# Altium PCB Stabiliser.PCBDOC (part 5 of 8) (continued)
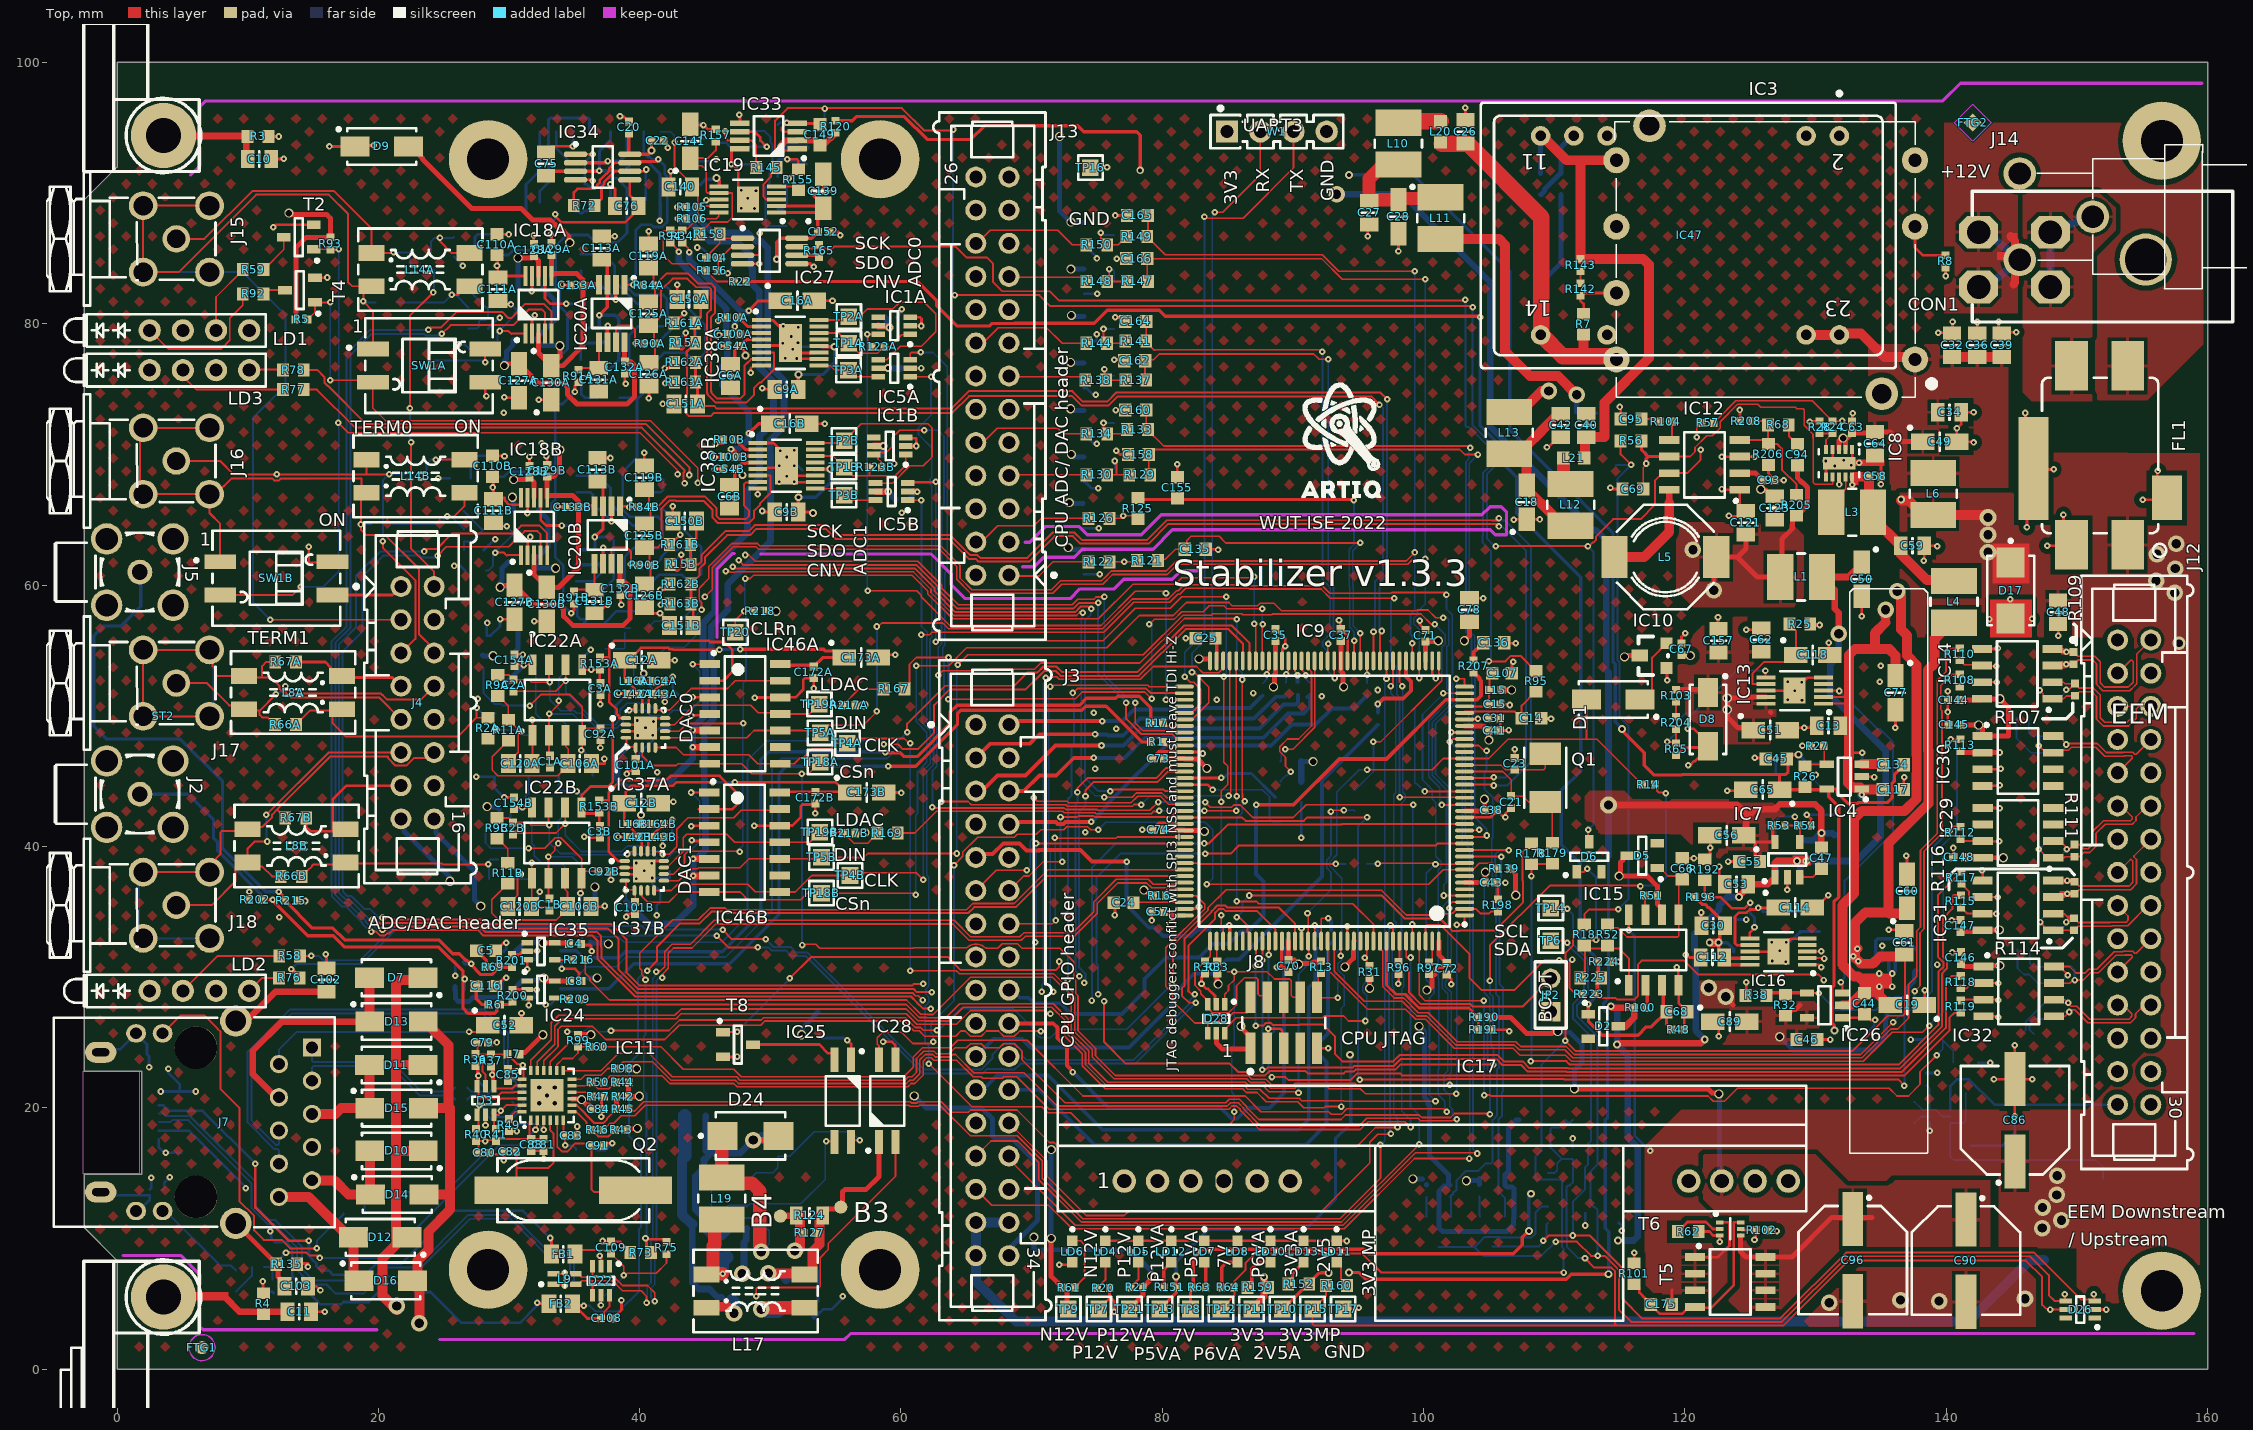
[diagram p0: Top view]
## Nets (pads, with @x,y where several pads share a name; then routed paths per layer and width w, separated by ;. In a path a pad name is that pad's centre, name@x,y a point inside that pad or via, vN(x,y) a via of type N, cw(c..) or ccw(c..) an arc to the next point about the centre after c; other vN are vias at no path point) (continued)
NetC156_2: C156.2 L17.1 L19.2 | length 7.8
  Top w1.016: L17.1@44.72,7.244 L17.1@45.12,7.244 45.18,7.305 L17.1@45.58,7.305 ; L19.2@46.279,11.456 46.239,11.456 45.747,10.964 45.747,9.527 45.612,9.391 45.612,7.336 L17.1@45.58,7.305 ; v1(46.349,7.305) L17.1@45.58,7.305
  Bot w1.016: v1(46.349,7.305) 46.349,8.43 C156.2@46.282,8.497 46.607,8.497 C156.2@46.674,8.564
NetC167_2: C167.2 IC27.3 IC33.7 IC42.7 R145.2 R219.2 | length 21.6
  Top w0.152: v1(46.548,94.742) 46.548,94.232 46.734,94.046 IC33.7@47.675,94.046 48.538,94.046 48.896,93.688 R145.2@48.896,91.948 ; IC27.3@47.88,85.25 49.136,85.25 49.175,85.289 v1(49.174,86.944)
  Bot w0.152: R219.2@45.873,94.86 45.991,94.742 v1(46.548,94.742) IC42.7@48.364,94.742 49.57,94.742 50.011,94.302 50.011,93.888 50.173,93.725 50.173,92.444 49.934,92.204 49.934,90.757 49.646,90.469 49.646,87.415 ; v1(49.174,86.944) 49.646,87.415 ; C167.2@51.25,87.476 49.707,87.476 49.646,87.415
NetC168_2: C168.2 IC33.6 IC42.6 R219.1 | length 8.8
  Top w0.203: IC33.6@47.675,94.696 48.81,94.696 49.236,94.269 49.236,94.021 v1(49.72,93.537)
  Bot w0.203: C168.2@43.898,94.151 45.622,94.151 45.853,93.92 R219.1@45.873,93.92 45.932,93.862 46.614,93.862 47.004,93.472 IC42.6@48.364,93.472 48.429,93.537 v1(49.72,93.537)
NetC170_1: C170.1 IC44.5 | length 5.1
  Bot w0.254: IC44.5@134.607,31.177 134.607,32.79 134.755,32.938 136.729,32.938 136.765,32.902 136.865,32.902 137.649,32.118 C170.1@137.674,32.118
NetC175_1: C175.1 R101.2 T5.4 T6.6 | length 15
  Top w0.203: R101.2@116.116,6.5 116.166,6.5 116.514,6.152 116.514,5.845 117,5.358 117.025,5.358 117.399,4.985 117.399,4.935 118.103,4.231 119.764,4.231 120.293,4.76 T5.4@120.768,4.76 ; T5.4@120.768,4.691 122.009,4.691 123.744,6.427 123.744,11.226 T6.6@124.258,11.226
NetD1_1: D1.1 IC10.2 | length 5.3
  Top w0.152: D1.1@116.56,51.238 116.79,51.238 117.489,51.937 117.489,54.452 IC10.2@118.588,55.551
NetD6_1: D6.1 IC15.1 R18.1 R52.2 R225.1 | length 16.3
  Top w0.152: D6.1@111.714,38.059 112.267,38.059 112.51,38.302 v1(112.518,38.302) ; R225.1@111.989,29.945 112.346,30.303 R18.1@112.346,32.203 ; v1(113.193,32.842) 113.151,32.8 112.669,32.8 R18.1@112.295,32.427 112.295,32.253 112.345,32.203 113.852,32.203 R52.2@114.075,32.427 114.299,32.203 114.938,32.203 115.704,31.437 IC15.1@115.704,29.379
  Bot w0.152: v1(112.518,38.302) 113.193,37.627 v1(113.193,32.842)
NetD21A_3: D21A.3 L8A.1 R2A.2 R66A.1 | length 19.6
  Top w0.127: 27.676,49.85 R2A.2@28.392,49.85
  Top w0.152: R66A.1@13.692,49.321 13.692,49.371 14.066,49.744 14.116,49.744 14.76,50.388 16.5,50.388 16.5,49.438 17.526,48.412 26.062,48.412 27.5,49.85 ; v1(27.531,50.614) 27.531,49.881 27.5,49.85 ; 27.676,49.85 27.5,49.85
  Bot w0.152: v1(27.531,50.614) 27.986,50.159 D21A.3@28.981,50.159
NetD21B_3: D21B.3 L8B.1 R2B.2 R66B.1 | length 16.9
  Top w0.152: R66B.1@14.135,37.704 14.135,37.754 14.509,38.128 14.559,38.128 14.93,38.499 14.93,38.536 15.019,38.626 16.507,38.626 16.585,38.704 24.867,38.704 24.945,38.626 28.419,38.626 v1(28.427,38.633)
  Bot w0.152: R2B.2@28.457,37.5 28.473,37.516 28.473,38.928 28.555,39.009 D21B.3@29.157,39.009
NetD23_3: D23.3 R121.2 R122.1 | length 3
  Top w0.127: R122.1@75.95,61.777 v1(77.1,61.777) 77.9,61.777 R121.2@78.05,61.627
  Bot w0.127: D23.3@76.3,61.777 v1(77.1,61.777)
NetD25_3: D25.3 R125.2 R126.1 | length 3.1
  Top w0.127: R126.1@75.95,65.106 76.825,65.106 v1(77.025,65.306) 77.7,65.306 R125.2@78.05,64.956
  Bot w0.127: D25.3@76.225,65.306 v1(77.025,65.306)
NetD27_3: D27.3 R129.2 R130.1 | length 3.5
  Top w0.127: R130.1@75.779,68.436 76.5,68.436 ; v1(76.375,69.5) 76.5,69.375 76.5,68.436 ; R129.2@77.475,68.436 76.5,68.436
  Bot w0.127: D27.3@76.3,68.862 76.375,68.937 v1(76.375,69.5)
NetD29_3: D29.3 R133.2 R134.1 | length 3.4
  Top w0.127: v1(75.5,72.412) 75.5,71.859 R134.1@75.779,71.58 76.982,71.58 R133.2@77.3,71.898
  Bot w0.127: v1(75.5,72.412) D29.3@76.3,72.412
NetD31_3: D31.3 R137.2 R138.1 | length 3.3
  Top w0.127: v1(75.575,76.534) 75.575,75.812 R138.1@75.7,75.687 R137.2@77.175,75.687
  Bot w0.127: v1(75.575,76.534) 76.075,76.034 D31.3@76.3,76.034
NetD33_3: D33.3 R141.2 R144.1 | length 3.5
  Top w0.127: v1(75.5,79.605) 75.5,78.787 R144.1@75.775,78.512 R141.2@77.25,78.512
  Bot w0.127: v1(75.5,79.605) D33.3@76.325,79.605
NetD34_3: D34.3 R149.2 R150.1 | length 4
  Top w0.127: v1(75.3,86.966) 75.3,86.52 R150.1@75.779,86.041 76.625,86.041 R149.2@77.25,86.666
  Bot w0.127: v1(75.3,86.966) 75.475,86.791 D34.3@76.325,86.791
NetD35_3: D35.3 R147.2 R148.1 | length 3.8
  Top w0.127: v1(75.95,84.191) 75.95,83.412 R148.1@75.779,83.241 R147.2@77.3,83.241
  Bot w0.127: v1(75.95,84.191) 76.178,84.191 76.325,84.044 D35.3@76.325,83.241
NetFB1_2: FB1.2 J9.1 | length 42.3
  Top w0.203: v1(10.592,15.72) 10.588,15.717 10.588,12.364 13.123,9.83 v1(14.681,9.83) ; v1(33.155,10.033) 33.25,9.938 FB1.2@33.25,8.799
  Bot w0.203: J9.1@3.2,20.195 3.525,20.195 3.623,20.097 3.623,20.093 3.742,19.974 3.82,19.974 4.029,19.765 6.547,19.765 v1(10.592,15.72) ; v1(14.681,9.83) 14.696,9.815 14.696,8.687 14.941,8.442 14.941,8.397 15.263,8.076 15.263,7.871 15.592,7.542 16.216,7.542 16.545,7.214 18.982,7.214 19.844,8.076 21.764,8.076 25.804,12.116 31.073,12.116 v1(33.155,10.033)
NetFB2_2: FB2.2 J9.4 | length 40.5
  Top w0.203: v1(32.156,5.08) 32.156,5.022 32.178,5 FB2.2@33.072,5
  L3 w0.203: v1(9.855,13.843) 9.855,12.857 11.735,10.977 v1(11.735,10.541)
  Bot w0.203: J9.4@3.2,18.245 5.494,18.245 9.855,13.884 v1(9.855,13.843) ; v1(11.735,10.541) 11.792,10.484 11.792,10.018 12.084,9.726 12.933,9.726 13.416,9.242 13.411,9.237 13.411,7.107 15.561,4.957 17.14,4.957 17.317,5.134 19.264,5.134 20.693,6.563 22.132,6.563 22.793,5.901 23.995,5.901 26.352,3.544 30.848,3.544 32.156,4.853 v1(32.156,5.08)
NetIC1A_1: IC1A.1 IC38A.14 R123A.1 TP1A.1 | length 8.2
  Top w0.127: IC38A.14@53.737,79.294 55.229,79.294 TP1A.1@56.007,78.516 56.787,77.736 58.207,77.736 58.461,77.99 58.486,77.99 58.712,78.216 R123A.1@58.712,78.236 59.143,78.236 60.06,79.154 60.651,79.154 IC1A.1@60.701,79.204
NetIC1B_1: IC1B.1 IC38B.14 R123B.1 TP1B.1 | length 9.4
  Top w0.127: IC38B.14@53.439,69.883 54.801,69.883 TP1B.1@55.652,69.032 56.311,68.372 57.546,68.372 ; R123B.1@57.589,69.008 57.589,68.415 57.546,68.372 ; IC1B.1@60.356,69.997 60.356,69.17 59.559,68.372 57.546,68.372
NetIC2_2: IC2.2 R17.1 | length 62.9
  Top w0.254: v1(58.795,47.207) 58.827,47.174 59.955,47.174 60.248,46.881 61.233,46.881 63.779,49.427 63.779,50.299 64.29,50.81 73.668,50.81 74.191,51.333 76.425,51.333 76.59,51.499 78.217,51.499 79.115,50.601 R17.1@79.115,49.444
  Bot w0.254: IC2.2@33.942,32.023 35.149,32.023 35.69,31.482 38.45,31.482 38.9,31.932 46.306,31.932 49.272,34.898 49.272,46.63 49.89,47.249 58.753,47.249 v1(58.795,47.207)
NetIC2_4: IC2.4 IC35.2 R201.2 | length 3
  Top w0.254: R201.2@30.225,31.707 30.769,31.707 30.962,31.9 31.321,31.9 IC35.2@31.394,31.973 31.419,31.998 32.13,31.998 v1(32.155,32.023)
  Bot w0.254: IC2.4@31.742,31.373 32.017,31.373 32.09,31.446 32.09,31.892 32.155,31.957 v1(32.155,32.023)
NetIC3_2: IC3.2 R8.2 | length 4.2
  Top w0.203: IC3.2@137.61,87.436 137.61,85.838 138.198,85.25 R8.2@139.95,85.25
NetIC3_6: IC3.6 R7.1 R142.1 | length 4.3
  Top w0.203: R7.1@112.25,80.776 112.25,81.513 112,81.763 112,82.105 112.136,82.105 112.386,82.356 IC3.6@114.75,82.356
NetIC4_4: IC4.4 IC43.4 R26.1 R27.2 | length 6.1
  Top w0.127: v1(130.021,45.474) 129.949,45.546 129.842,45.546 129.242,46.146 R26.1@129.192,46.146 129.342,46.296 IC4.4@130.842,46.296 130.672,46.466 R27.2@130.672,47.846
  Bot w0.127: v1(130.021,45.474) 130.021,45.472 129.879,45.33 129.879,45.084 130.567,44.396 IC43.4@130.842,44.396
NetIC5A_4: IC5A.4 IC38A.16 TP2A.1 | length 16.5
  Top w0.127: IC38A.16@53.737,80.294 55.746,80.294 TP2A.1@56.007,80.555 56.857,80.555 57.429,81.128 59.372,81.128 59.899,81.654 61.783,81.654 62.662,80.775 62.662,79.39 61.566,78.294 59.956,78.294 58.913,77.25 IC5A.4@58.251,77.25
NetIC5A_6: IC5A.6 IC38A.9 TP3A.1 | length 4.7
  Top w0.127: IC38A.9@53.901,76.791 54.604,76.791 54.936,76.459 TP3A.1@55.982,76.459 56.491,75.95 IC5A.6@58.251,75.95
NetIC5B_4: IC5B.4 IC38B.16 TP2B.1 | length 17.1
  Top w0.127: IC38B.16@53.439,70.883 55.477,70.883 TP2B.1@55.652,71.057 56.952,72.358 62.065,72.358 62.375,72.047 62.375,69.794 61.706,69.124 60.67,69.124 59.353,67.808 IC5B.4@58.059,67.808
NetIC5B_6: IC5B.6 IC38B.9 TP3B.1 | length 5.1
  Top w0.127: IC38B.9@53.325,67.372 IC38B.9@53.439,67.372 ; IC38B.9@53.439,67.383 55.151,67.383 TP3B.1@55.652,66.882 56.026,66.508 IC5B.6@58.059,66.508
NetIC7_4: IC7.4 IC45.4 R53.1 R54.2 | length 6.3
  Top w0.127: v1(128.421,42.287) 128.421,42.186 128.495,42.112 R54.2@128.495,41.822 ; R54.2@128.549,41.596 128.495,41.65 R54.2@128.495,41.822 ; R54.2@128.722,41.596 R54.2@128.495,41.822
  Top w0.152: R53.1@127.662,41.596 R54.2@128.549,41.596 ; R54.2@128.722,41.596 128.792,41.525 IC7.4@128.792,40.345
  Bot w0.127: IC45.4@126.942,40.486 126.942,41.931 127.297,42.287 v1(128.421,42.287)
NetIC8_5: IC8.5 R24.1 R28.2 | length 2.4
  Top w0.127: R28.2@130.3,71.608 R24.1@131.3,71.608 130.8,71.108 IC8.5@130.8,70.378
NetIC9_37: IC9.37 R176.1 | length 13.2
  Top w0.127: v1(96.159,48) 96.705,48 101.379,52.673 101.379,53.038 101.159,53.258 IC9.37@101.159,54.202
  Bot w0.127: R176.1@94.64,44.386 R176.1@94.717,44.31 94.728,44.299 96.159,45.73 v1(96.159,48)
NetIC9_42: IC9.42 R136.1 | length 6
  Top w0.298: v1(96.495,50.902) 96.926,51.333 98.439,51.333 99.022,51.917 99.022,52.636 98.659,52.999 IC9.42@98.659,54.202
  Bot w0.298: R136.1@96.495,50.254 v1(96.495,50.902)
NetIC9_48: IC9.48 R12.2 | length 1.7
  Top w0.127: IC9.48@95.659,54.202 95.664,54.197 95.664,53.157 v1(95.669,53.152)
  Bot w0.127: v1(95.669,53.152) 95.669,52.514 R12.2@95.676,52.507
NetIC9_58: IC9.58 R186.1 | length 1.7
  Top w0.127: IC9.58@90.659,54.202 90.659,53.58 90.728,53.512 90.728,53.468 v1@90.911,53.284
  Bot w0.127: v1@90.907,53.035 90.92,53.035 91.041,52.914 91.041,52.766 91.268,52.54 R186.1@91.288,52.54
  other v1: 90.983,53.086
NetIC9_59: IC9.59 R187.1 | length 1.6
  Top w0.127: IC9.59@90.094,53.975 90.16,53.909 90.16,53.401 90.227,53.334 90.227,53.308 90.348,53.187 v1(90.348,53.086)
  Bot w0.127: v1(90.348,53.086) 90.348,52.563 R187.1@90.376,52.535
NetIC9_60: IC9.60 R188.1 | length 1.7
  Top w0.127: v1(89.484,53.162) 89.484,53.263 89.635,53.414 89.635,54.178 IC9.60@89.659,54.202
  Bot w0.127: R188.1@89.425,52.535 89.484,52.594 89.484,53.111 v1@89.51,53.137
NetIC9_63: IC9.63 R189.1 | length 1.9
  Top w0.127: v1(87.986,53.188) 87.986,53.289 88.126,53.429 88.126,54.169 IC9.63@88.159,54.202
  Bot w0.127: R189.1@87.681,52.489 87.701,52.489 87.927,52.716 87.927,52.736 88.013,52.821 88.013,53.164 v1@88.036,53.188
NetIC9_100: IC9.100 R177.2 | length 12.4
  Top w0.127: IC9.100@81.684,38.727 82.705,38.727 82.773,38.659 v1(93.269,38.659)
  Bot w0.127: v1(93.269,38.659) R177.2@94.044,38.659
NetIC9_112: IC9.112 R185.2 | length 2
  Top w0.298: v1(85.122,33.974) 85.159,33.937 IC9.112@85.159,32.752
  Bot w0.298: R185.2@84.541,33.637 84.541,33.657 84.682,33.798 84.702,33.798 84.84,33.936 85.083,33.936 v1(85.122,33.974)
NetIC9_115: IC9.115 R178.2 | length 32.2
  Top w0.152: v1(85.7,34.595) 85.766,34.528 85.936,34.528 86.512,33.952 86.512,33.49 86.659,33.343 IC9.115@86.659,32.752 ; v1(86.659,36.246) 96.795,36.246 98.557,34.484 101.254,34.484 102.191,33.547 102.736,33.547 102.773,33.584 105.484,33.584 107.6,35.7 107.6,37.368 107.552,37.417 107.552,39.543 107.831,39.822 107.831,39.872 108.205,40.246 R178.2@108.255,40.246
  Bot w0.152: v1(85.7,34.595) 86.156,35.051 86.156,35.743 v1(86.659,36.246)
NetIC9_123: IC9.123 R128.1 | length 2.4
  Top w0.127: v1(90.654,33.738) 90.657,33.735 90.657,32.754 IC9.123@90.659,32.752
  Bot w0.127: R128.1@90.516,32.918 90.516,33.499 90.654,33.637 v1(90.654,33.738)
  Bot w0.298: R128.1@90.641,33.118 v1@90.641,33.674
NetIC9_125: IC9.125 R131.2 | length 2.2
  Top w0.127: IC9.125@91.659,32.752 v1(91.659,33.974)
  Bot w0.298: v1(91.659,33.974) v1@91.734,33.899 ; v1@91.696,33.937 91.865,33.768 R131.2@91.865,33.132
NetIC9_126: IC9.126 R132.2 | length 3.3
  Top w0.127: IC9.126@92.159,32.752 92.159,34.482 92.193,34.516 v1(92.697,34.516)
  Bot w0.298: v1(92.697,34.516) 92.922,34.29 R132.2@92.922,33.615
NetIC9_138: IC9.138 JP2.2 R96.1 | length 16.5
  Top w0.152: IC9.138@98.159,32.752 98.159,31.246 R96.1@98.089,31.176 98.109,31.176 98.89,30.395 98.89,28.823 99.778,27.935 103.589,27.935 103.775,27.749 107.577,27.749 JP2.2@109.728,29.899
NetIC9_143: IC9.143 R97.1 | length 1.6
  Top w0.127: R97.1@100.659,31.114 IC9.143@100.659,32.752
NetIC11_7: IC11.7 R43.2 R46.2 | length 4.5
  Top w0.152: IC11.7@34.805,19.695 35.143,19.695 35.914,18.924 35.914,18.745 36.731,17.929 36.731,17.919 36.85,17.8 37.598,17.8 38.119,18.321 R43.2@38.119,18.394
NetIC11_8: IC11.8 R42.2 R45.2 | length 5.4
  Top w0.152: IC11.8@34.805,20.195 35.202,20.195 35.857,19.541 35.857,19.501 36.506,18.851 37.246,18.851 37.512,19.116 37.512,19.185 R45.2@38.221,19.895
  Top w0.381: R45.2@38.221,19.895 R42.2@38.221,20.855
NetIC11_10: IC11.10 R47.1 | length 1.7
  Top w0.127: IC11.10@34.805,21.195 36.021,21.195 R47.1@36.361,20.855
NetIC11_11: IC11.11 R44.2 R50.2 | length 3.9
  Top w0.127: IC11.11@34.805,21.695 36.068,21.695 R50.2@36.318,21.946 36.819,21.445 37.627,21.445 38.127,21.945 R44.2@38.211,21.945
NetIC11_14: IC11.14 R60.2 R99.2 | length 3.9
  Top w0.127: IC11.14@33.655,22.845 33.655,23.29 34.13,23.765 34.86,23.765 35.286,24.191 R99.2@35.286,24.66 R60.2@36.231,24.66
NetIC11_24: IC11.24 R49.1 | length 1.3
  Top w0.152: R49.1@29.917,19.122 30.491,19.695 IC11.24@31.005,19.695
NetIC12_4: IC12.4 R68.1 R205.1 R206.1 R208.1 | length 10.4
  Top w0.152: IC12.4@124.199,71.108 R206.1@126.222,71.108 ; R208.1@125.162,72.548 126.068,72.548 R68.1@126.352,72.263 126.352,70.851 126.39,70.813 R206.1@126.796,70.813 ; R206.1@126.39,70.802 127.058,70.802 127.419,70.442 127.419,68.842 128.549,67.711 R205.1@128.549,66.916
NetIC12_5: IC12.5 R104.2 | length 1.5
  Top w0.152: IC12.5@118.799,71.108 119.011,71.32 R104.2@119.011,72.508
NetIC13_3: IC13.3 IC26.3 IC44.4 R223.2 R224.1 R225.2 | length 56.5
  Top w0.152: R223.2@113.134,28.696 113.134,28.676 113.348,28.462 113.371,28.462 113.437,28.396 114.701,28.396 114.826,28.271 116.11,28.271 116.414,28.575 116.414,30.981 116.689,31.256 119.944,31.256 121.016,30.184 130.226,30.184 v1(130.632,29.777) ; IC13.3@130.591,51.923 131.775,51.923 v1(131.8,51.898) ; v1(131.942,29.596) 132.042,29.496 IC26.3@132.042,28.796
  Top w0.254: R223.2@113.134,28.696 113.293,28.855 113.293,28.976 113.293,29.65 R225.2@113.589,29.945 113.449,30.085 113.311,30.085 113.357,30.132 R224.1@113.357,31.176
  L3 w0.152: v1(130.632,29.777) 131.76,29.777 v1(131.942,29.596)
  Bot w0.152: v1(131.8,51.898) 134.702,48.997 134.899,48.997 135.927,47.969 135.927,41.087 132.23,37.39 132.23,29.978 131.942,29.69 v1(131.942,29.596) 132.008,29.53 132.008,29.117 132.748,28.377 IC44.4@134.607,28.377
NetIC13_6: IC13.6 R65.2 R204.2 | length 12.6
  Top w0.152: v1(118.631,48) 119.234,48 R65.2@119.329,47.904 R204.2@119.329,48.983 ; v1(126.163,53.449) 126.163,52.951 IC13.6@126.191,52.923
  Bot w0.152: v1(118.631,48) 119.367,48.735 119.367,49.476 120.07,50.179 120.653,50.179 123.923,53.449 v1(126.163,53.449)
NetIC14_6: IC14.6 IC23.3 R110.2 | length 4.1
  Top w0.127: R110.2@141.035,54.236 141.374,53.898 142.675,53.898 IC14.6@142.732,53.841 142.788,53.785 v1(143.84,53.785)
  Bot w0.127: IC23.3@142.732,53.841 143.784,53.841 v1(143.84,53.785)
NetIC14_7: IC14.7 IC23.2 R108.2 | length 4.1
  Top w0.127: R108.2@141.035,52.236 141.37,52.571 IC14.7@142.732,52.571 142.744,52.583 v1(143.866,52.583)
  Bot w0.127: IC23.2@142.732,52.571 143.854,52.571 v1(143.866,52.583)
NetIC15_2: IC15.2 R100.1 | length 1.6
  Top w0.254: R100.1@117.05,27.648 117.121,27.719 IC15.2@117.121,29.243
NetIC16_6: IC16.6 R192.2 R193.1 | length 8.2
  Top w0.203: R192.2@121.514,37.415 121.514,36.335 121.705,36.144 R193.1@121.705,36.124 122.726,36.124 123.588,35.261 124.563,35.261 v1(125.001,35.7) ; IC16.6@124.962,32.948 124.962,33.402 125.324,33.764 v1(125.324,33.817)
  Bot w0.203: v1(125.001,35.7) 125.001,34.879 125.324,34.557 v1(125.324,33.817)
NetIC17_3: IC17.3 IC28.2 | length 62.5
  Top w0.127: v1(48.92,5.588) 48.92,6.172 48.998,6.25 53.736,6.25 53.81,6.324 53.81,8.521 54.445,9.156 54.445,9.614 59.582,14.751 IC28.2@59.582,17.374
  L3 w0.127: v1@48.92,5.661 48.273,5.013 48.273,3.848 50.838,1.283 70.788,1.283 80.709,11.203 80.709,12.926 IC17.3@82.174,14.391
NetIC18A_7: IC18A.7 RN1A.1 | length 4.6
  Top w0.203: IC18A.7@32.761,83.659 32.761,81.944 33.18,81.525 v1(34.37,81.525)
  Bot w0.203: v1(34.37,81.525) RN1A.1@35.517,81.525
NetIC18B_7: IC18B.7 RN1B.1 | length 4.6
  Top w0.203: IC18B.7@32.427,66.695 32.427,64.979 32.846,64.56 v1(34.036,64.56)
  Bot w0.203: v1(34.036,64.56) RN1B.1@35.183,64.56
NetIC19_3: IC19.3 R145.1 | length 3.7
  Top w0.152: R145.1@50.483,91.865 50.462,91.865 50.122,91.524 50.122,91.504 50.05,91.432 50.05,91.241 49.461,90.651 49.461,89.746 49.692,89.515 IC19.3@50.487,89.515
NetIC19_5: IC19.5 R155.2 | length 1.5
  Top w0.152: IC19.5@50.487,90.515 51.985,90.515 R155.2@52,90.53
NetIC20A_1: IC20A.1 R84A.1 R170A.1 RN1A.7 RN2A.7 | length 15.3
  Top w0.203: IC20A.1@38.83,83.001 v1(39.522,83.001) 40.161,83.001 R84A.1@40.222,82.939
  Bot w0.203: v1(39.522,83.001) 39.603,83.001 39.808,82.795 RN1A.7@40.917,82.795 42.118,82.795 45.038,79.875 45.038,77.813 R170A.1@44.268,77.043 43.54,77.772 41.862,77.772 41.355,77.264 RN2A.7@40.88,77.264
NetIC20A_2: IC20A.2 RN1A.2 RN1A.3 | length 5.5
  Top w0.254: v1(38.18,81.836) IC20A.2@38.18,83.001
  Bot w0.203: RN1A.2@35.517,82.795 RN1A.3@35.517,84.065
  Bot w0.254: RN1A.2@35.517,82.795 37.22,82.795 v1(38.18,81.836)
NetIC20A_6: IC20A.6 RN2A.2 RN2A.3 | length 5.7
  Top w0.254: IC20A.6@37.53,78.601 37.53,79.819 v1(37.549,79.837)
  Bot w0.203: RN2A.2@35.48,77.264 RN2A.3@35.48,78.534
  Bot w0.254: RN2A.3@35.48,78.534 37.177,78.534 37.549,78.905 v1(37.549,79.837)
NetIC20A_7: IC20A.7 R90A.1 R171A.1 RN2A.6 | length 10.5
  Top w0.152: IC20A.7@38.18,78.601 38.18,79.714 38.32,79.854 39.34,79.854 39.655,79.54 v1@39.655,78.552 ; v1(39.691,78.516) 40.264,78.516 R90A.1@40.293,78.486
  Bot w0.203: v1(39.691,78.516) 39.71,78.534 RN2A.6@40.88,78.534 41.355,78.534 41.964,79.144 41.99,79.144 42.5,79.654 43.193,79.654 43.316,79.778 43.898,79.778 44.268,79.408 R171A.1@44.268,78.549
NetIC20B_1: IC20B.1 R84B.1 R170B.1 RN1B.7 RN2B.7 | length 15.2
  Top w0.203: IC20B.1@38.495,66.036 39.827,66.036 R84B.1@39.888,65.974
  Bot w0.203: v1(39.192,65.964) 39.326,65.83 RN1B.7@40.583,65.83 41.784,65.83 44.704,62.91 44.704,60.848 R170B.1@43.934,60.078 43.205,60.807 41.528,60.807 41.02,60.299 RN2B.7@40.545,60.299
NetIC20B_2: IC20B.2 RN1B.2 RN1B.3 | length 6.7
  Top w0.254: v1(37.845,64.871) IC20B.2@37.845,66.036
  Bot w0.203: RN1B.3@35.183,67.1 36.234,67.1 36.425,66.909 36.425,65.997 36.444,65.978 36.297,65.83
  Bot w0.254: RN1B.2@35.183,65.83 36.297,65.83 36.886,65.83 v1(37.845,64.871)
NetIC20B_6: IC20B.6 RN2B.2 RN2B.3 | length 7.4
  Top w0.254: IC20B.6@37.195,61.636 37.195,62.854 v1(37.214,62.873)
  Bot w0.203: RN2B.2@35.145,60.299 36.415,60.299 37.172,61.057 37.172,61.225 36.828,61.569
  Bot w0.254: RN2B.3@35.145,61.569 36.843,61.569 37.214,61.941 v1(37.214,62.873)
NetIC20B_7: IC20B.7 R90B.1 R171B.1 RN2B.6 | length 10.6
  Top w0.152: IC20B.7@37.845,61.636 37.845,62.749 37.986,62.889 39.006,62.889 39.32,62.575 v1(39.32,61.588) 39.815,61.588 R90B.1@39.888,61.515
  Bot w0.203: v1(39.32,61.588) 39.338,61.569 RN2B.6@40.545,61.569 41.189,61.569 41.655,62.036 41.655,62.179 42.166,62.689 42.858,62.689 42.982,62.813 43.564,62.813 43.934,62.443 R171B.1@43.934,61.584
NetIC21_2: IC21.2 R1.1 | length 62.1
  Top w0.254: v1(59.022,46.137) 61.128,46.137 64.319,49.329 64.319,50.171 64.578,50.429 73.826,50.429 74.128,50.731 75.695,50.731 78.426,48 R1.1@79.115,48
  Bot w0.254: IC21.2@33.942,29.1 37.641,29.1 39.552,31.011 46.887,31.011 50.67,34.794 50.67,45.574 51.233,46.137 v1(59.022,46.137)
NetIC21_4: IC21.4 IC24.2 R200.2 | length 2.8
  Top w0.254: R200.2@30.275,29.045 IC24.2@31.394,29.045 v1(32.13,29.045)
  Bot w0.254: IC21.4@31.742,28.45 32.017,28.45 32.09,28.523 32.09,29.005 v1(32.13,29.045)
NetIC24_4: IC24.4 R209.1 | length 1.2
  Top w0.127: IC24.4@33.494,28.395 33.573,28.316 34.594,28.316 R209.1@34.613,28.297
NetIC25_1: IC25.1 R168.1 | length 4.1
  Top w0.203: v1(55.9,25.16) 56.185,24.875 IC25.1@56.185,23.674
  Bot w0.203: R168.1@53.646,25.687 53.995,25.339 55.641,25.339 55.819,25.16 v1(55.9,25.16)
NetIC25_2: IC25.2 T8.3 | length 6.9
  Top w0.203: T8.3@48.675,24.841 53.747,24.841 54.429,24.16 54.716,24.16 54.915,23.961 IC25.2@54.915,23.674
NetIC25_3: IC25.3 R184.2 T7.1 | length 12.8
  Top w0.127: v1(54.285,17.432) 54.915,17.432 IC25.3@54.915,17.374 IC25.3@54.908,17.367
  Bot w0.127: T7.1@46.337,12.043 46.516,12.043 46.753,12.28 46.753,12.459 46.816,12.522 R184.2@48.324,12.522 ; R184.2@48.184,12.382 R184.2@48.324,12.522 ; v1(54.285,17.432) 54.214,17.36 54.214,17.192 54.193,17.171 54.193,14.503 52.341,12.652 48.453,12.652 R184.2@48.324,12.522
NetIC25_4: IC25.4 R140.1 R146.2 | length 12.6
  Top w0.127: IC25.4@56.185,17.374 56.337,17.526 v1(56.845,17.526)
  Bot w0.127: R140.1@47.231,14.503 48.391,14.503 48.924,15.037 50.204,15.037 50.579,15.412 R146.2@50.579,16.294 51.5,16.294 53.373,18.167 54.169,18.167 54.174,18.172 56.199,18.172 v1(56.845,17.526)
NetIC26_4: IC26.4 IC44.3 R32.1 R38.2 | length 10.1
  Top w0.152: IC26.4@129.342,28.796 129.372,28.765 v1(130.226,28.765)
  Top w0.254: R38.2@126.242,28.596 126.442,28.796 IC26.4@129.342,28.796
  Bot w0.152: v1(130.226,28.765) 130.272,28.765 131.545,27.493 134.627,27.493 135.058,27.924 135.058,28.329 IC44.3@135.107,28.377
NetIC27_6: IC27.6 R165.1 | length 1.8
  Top w0.254: IC27.6@52.03,85.25 53.59,85.25 R165.1@53.735,85.105
NetIC29_7: IC29.7 IC36.2 R112.2 | length 4.3
  Top w0.152: R112.2@141.086,40.571 141.251,40.406 IC29.7@142.793,40.406 142.812,40.386 v1(144.057,40.386)
  Bot w0.152: IC36.2@142.792,40.406 143.978,40.406 143.997,40.386 v1(144.057,40.386)
NetIC30_2: IC30.2 IC39.7 R113.2 | length 4.4
  Top w0.381: R113.2@141.086,47.271 141.181,47.176 IC30.2@142.783,47.176 144.08,47.176 v1(144.094,47.19)
  Bot w0.381: IC39.7@142.791,47.176 144.08,47.176 v1(144.094,47.19)
NetIC31_6: IC31.6 IC40.3 R117.2 | length 4.6
  Top w0.152: R117.2@141.151,37.135 141.159,37.135 141.733,36.561 141.733,36.206 141.818,36.12 IC31.6@142.783,36.12 143.931,36.12 v1(143.933,36.119)
  Bot w0.152: IC40.3@142.783,36.12 142.784,36.119 v1(143.933,36.119)
NetIC31_7: IC31.7 IC40.2 R115.2 | length 4
  Top w0.152: R115.2@141.126,35.328 141.146,35.328 141.624,34.85 IC31.7@142.783,34.85 v1(143.84,34.85)
  Bot w0.152: IC40.2@142.783,34.85 v1(143.84,34.85)
NetIC32_2: IC32.2 IC41.7 R118.2 | length 4.2
  Top w0.152: R118.2@141.111,29.144 141.558,29.144 141.955,29.541 IC32.2@142.843,29.541 v1(143.993,29.54)
  Bot w0.152: IC41.7@142.843,29.541 v1(143.993,29.54)
NetIC32_3: IC32.3 IC41.6 R119.2 | length 4.1
  Top w0.152: R119.2@141.111,28.212 141.17,28.271 IC32.3@142.843,28.271 143.968,28.271 v1(143.993,28.245)
  Bot w0.152: IC41.6@142.843,28.271 143.898,28.271 143.915,28.254 143.985,28.254 v1(143.993,28.245)
NetIC34_2: IC34.2 RN4.6 | length 5.9
  Top w0.254: IC34.2@35.096,92.326 37.415,92.326 v1(37.545,92.456)
  Bot w0.254: v1(37.545,92.456) 38.464,92.456 39.036,93.028 RN4.6@39.036,94.701
NetIC34_6: IC34.6 R72.1 RN4.2 | length 8.3
  Top w0.203: R72.1@36.565,89.04 37.084,89.559 37.084,90.476 37.288,90.679 37.288,90.868 37.568,91.148 37.592,91.148 38.12,91.676 IC34.6@39.246,91.676 40.368,91.676 v1(40.503,91.811)
  Bot w0.203: RN4.2@40.306,89.301 40.466,89.46 40.466,91.784 v1@40.497,91.816
NetIC35_4: IC35.4 R216.1 | length 1.4
  Top w0.127: IC35.4@33.494,31.323 33.503,31.315 R216.1@34.899,31.315
NetIC38A_2: IC38A.2 R10A.2 | length 2.4
  Top w0.254: R10A.2@47.597,80.481 48.284,79.794 IC38A.2@49.337,79.794 ; IC38A.2@48.807,79.77 49.167,79.77 IC38A.2@49.171,79.766
NetIC38B_2: IC38B.2 R10B.2 | length 2.2
  Top w0.254: R10B.2@47.32,71.133 48.07,70.383 IC38B.2@49.039,70.383 ; IC38B.2@49.039,70.376 49.171,70.376 IC38B.2@49.175,70.372
NetIC47_10: IC47.10 R226.1 R227.2 | length 5.7
  Bot w0.381: R227.2@108.957,89.9 109.007,89.9 109.266,90.159 109.266,90.316 110.45,91.5 R226.1@110.5,91.5 110.5,93.491 111.397,94.388 IC47.10@111.497,94.388
NetJ7_L1: J7.L1 R35.2 | length 30.7
  Top w0.152: J7.L1@3.49,25.695 4.84,27.046 6.711,27.046 7.687,26.07 7.687,26.059 7.923,25.823 7.923,21.43 9.363,19.99 9.363,12.862 10.493,11.732 10.493,10.614 11.222,9.886 12.603,9.886 13.247,9.242 v1(15.293,9.242)
  Bot w0.152: v1(15.293,9.242) 15.293,9.82 17.336,11.863 R35.2@17.336,11.913
NetJ7_L3: J7.L3 R39.2 | length 7.5
  Bot w0.152: J7.L3@3.49,12.095 3.729,12.095 7.894,7.93 8.716,7.93 R39.2@9.09,7.556
NetL10_1: L10.1 L20.2 | length 3.3
  Top w1.27: L10.1@98.074,95.391 98.174,95.491 L20.2@101.3,95.491
NetL12_1: L12.1 L21.2 | length 2.2
  Top w1: L21.2@110.7,69.725 110.7,68.244 111.2,67.744 L12.1@111.25,67.744
NetL14A_3: L14A.3 R86A.2 R87A.1 | length 7.8
  Top w0.152: v1(25.623,82.222) 26.131,82.222 26.782,82.874 L14A.3@26.971,82.874
  Bot w0.152: R86A.2@21.401,81.644 25.044,81.644 v1(25.623,82.222) 25.913,82.222 R87A.1@26.901,81.234
NetL14A_4: L14A.4 R79A.2 R80A.1 | length 5.7
  Top w0.152: v1(24.718,86.572) 24.718,86.302 25.606,85.414 L14A.4@26.971,85.414
  Bot w0.152: R79A.2@24.022,85.414 24.022,86.277 24.317,86.572 v1(24.718,86.572) 25.729,86.572 R80A.1@25.801,86.644
NetL14B_3: L14B.3 R86B.2 R87B.1 | length 8.8
  Top w0.152: v1(25.288,65.258) 25.796,65.258 26.601,66.063 L14B.3@26.601,67.068
  Bot w0.152: R86B.2@21.067,64.679 24.71,64.679 v1(25.288,65.258) 25.579,65.258 R87B.1@26.567,64.27
NetL14B_4: L14B.4 R79B.2 R80B.1 | length 5
  Top w0.152: v1(24.384,69.608) L14B.4@26.601,69.608
  Bot w0.152: R79B.2@23.687,68.449 23.687,69.28 24.015,69.608 v1(24.384,69.608) 25.395,69.608 R80B.1@25.467,69.679
NetLD2_2: LD2.2 R58.1 | length 8.5
  Top w0.152: LD2.2@5.04,28.95 7.715,31.625 R58.1@12.411,31.625
NetLD2_4: LD2.4 R76.1 | length 2.7
  Top w0.152: LD2.4@10.12,28.95 11.11,29.94 R76.1@12.392,29.94
NetLD3_2: LD3.2 R77.1 | length 8.6
  Top w0.127: LD3.2@5.04,76.5 5.04,75.983 6.053,74.969 R77.1@12.7,74.969
NetLD3_4: LD3.4 R78.1 | length 2.6
  Top w0.127: LD3.4@10.12,76.5 12.649,76.5 R78.1@12.7,76.449
NetLD4_2: LD4.2 R20.1 | length 2.2
  Top w0.152: R20.1@75.024,6.2 75.648,6.824 LD4.2@75.648,8.173
NetLD5_2: LD5.2 R21.1 | length 2.2
  Top w0.152: R21.1@77.568,6.25 78.175,6.856 LD5.2@78.175,8.173
NetLD6_1: LD6.1 R61.1 | length 4.6
  Top w0.152: LD6.1@73.122,9.823 73.743,9.823 74.041,9.525 74.041,6.977 R61.1@73.304,6.241
NetLD7_2: LD7.2 R63.2 | length 2
  Top w0.254: LD7.2@83.228,8.173 83.315,8.086 R63.2@83.315,6.25
NetLD8_2: LD8.2 R64.2 | length 2.9
  Top w0.254: R64.2@84.549,6.25 84.549,7.81 84.911,8.173 LD8.2@85.755,8.173
NetLD10_2: LD10.2 R159.2 | length 3.2
  Top w0.254: R159.2@86.515,6.25 86.838,6.573 86.838,7.351 86.845,7.358 86.845,7.698 87.319,8.173 LD10.2@88.281,8.173
NetLD11_2: LD11.2 R160.2 | length 2.3
  Top w0.152: LD11.2@93.334,8.173 93.658,7.849 93.658,6.91 94.056,6.513 R160.2@93.839,6.296
NetLD12_2: LD12.2 R151.2 | length 2.2
  Top w0.254: R151.2@80.119,6.25 80.119,7.591 LD12.2@80.701,8.173
NetLD13_2: LD13.2 R152.1 | length 2.2
  Top w0.254: R152.1@89.645,6.5 89.968,6.823 89.968,7.332 LD13.2@90.808,8.173
NetR15A_2: R15A.2 R171A.2 | length 3.3
  Top w0.203: R15A.2@42.668,78.549 43.143,78.074 43.26,78.074 43.514,78.328 v1(43.514,79.299)
  Bot w0.203: R171A.2@42.668,78.549 42.764,78.549 v1(43.514,79.299)
NetR15B_2: R15B.2 R171B.2 | length 3.3
  Top w0.203: R15B.2@42.334,61.585 42.809,61.109 42.926,61.109 43.18,61.364 v1(43.18,62.334)
  Bot w0.203: R171B.2@42.334,61.584 42.43,61.584 v1(43.18,62.334)
NetR35_1: R35.1 R212.2 | length 2
  Bot w0.152: R35.1@18.936,11.913 18.936,12.641 19.624,13.33 19.63,13.33 19.844,13.544 R212.2@19.844,13.564
NetR39_1: R39.1 R213.2 | length 2.4
  Bot w0.152: R39.1@9.09,5.956 9.14,5.956 10.325,7.141 R213.2@10.325,7.827
NetR59_2: R59.2 T2.3 | length 3.1
  Top w0.127: R59.2@11.22,84.144 12.757,85.681 T2.3@12.757,86.643
NetR62_1: R62.1 T6.2 | length 3.7
  Top w0.203: R62.1@119.452,10.526 120.18,11.254 121.604,11.254 122.132,10.726 T6.2@122.678,10.726